# KiCad board keyboard.kicad_pcb
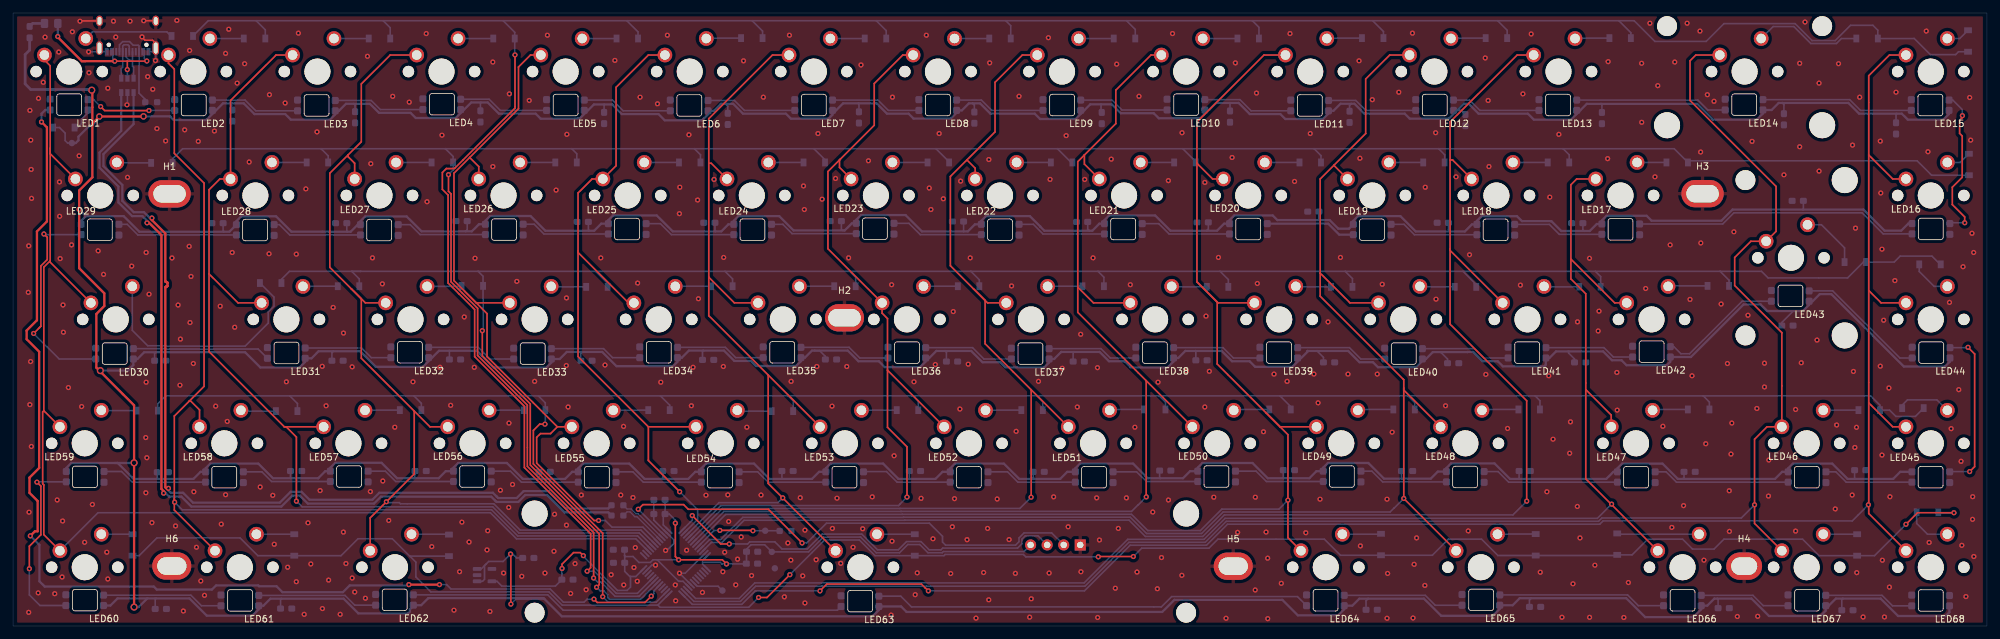
[diagram p0: board, top side]
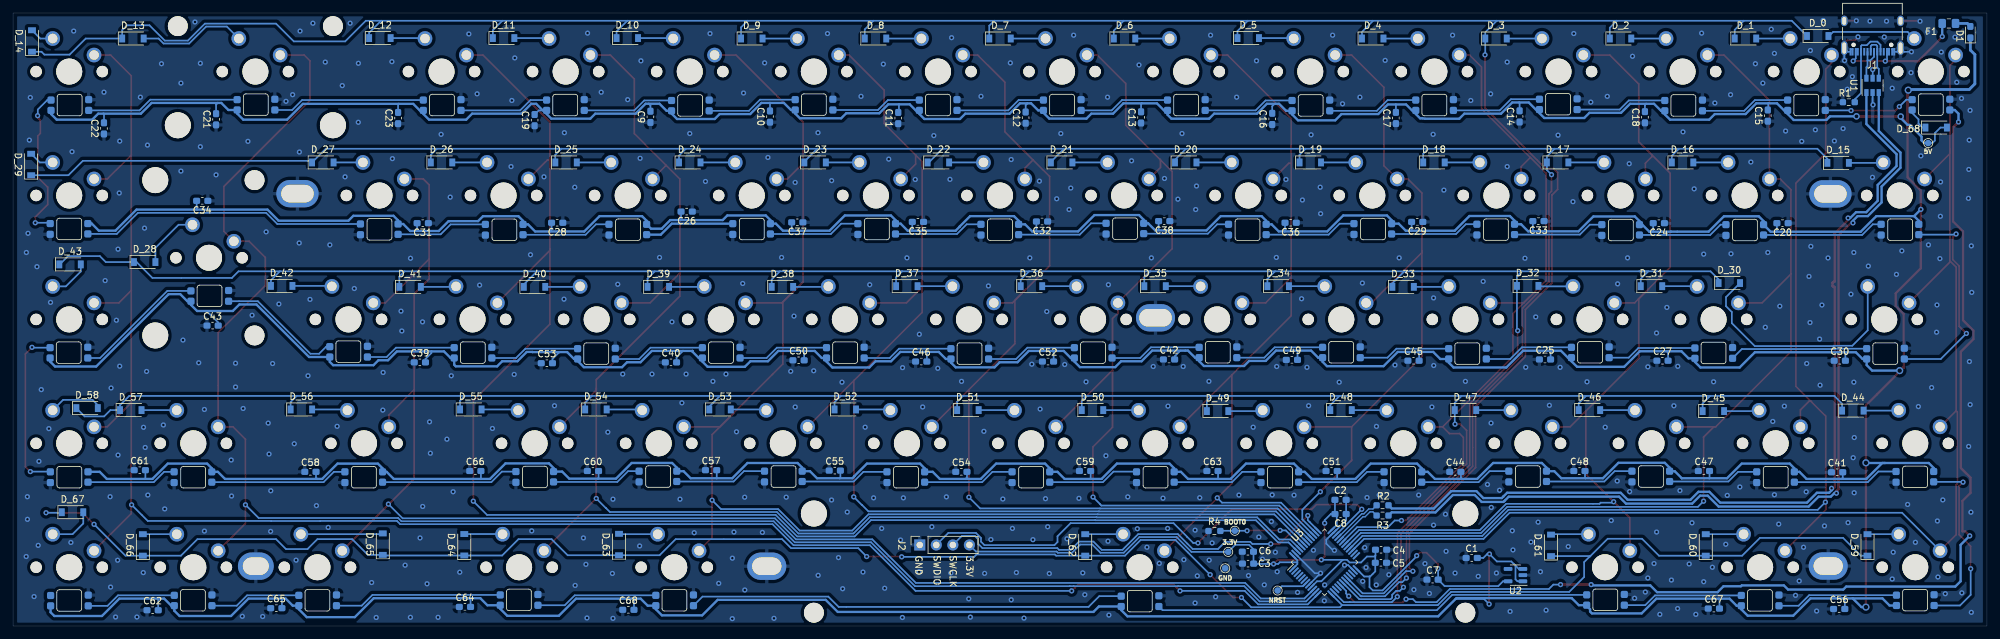
[diagram p1: board, bottom side, seen from below]

Outline 303 x 94.23 mm; copper layers: Top, Bottom. Coordinates in mm from the lower left corner of the outline.
Outline path: 0,94.23 303,94.23 303,0 0,0 0,94.23

## Placement (name value [footprint] x y rotation side)
C1  4.7uF  [C_0603_1608Metric_Pad1.08x0.95mm_HandSolder]  79.09 10.46 180 bottom
C2  100nF  [C_0603_1608Metric_Pad1.08x0.95mm_HandSolder]  99.23 19.39 0 bottom
C3  4.7uF  [C_0603_1608Metric_Pad1.08x0.95mm_HandSolder]  113.42 9.59 180 bottom
C4  100nF  [C_0603_1608Metric_Pad1.08x0.95mm_HandSolder]  93 11.72 0 bottom
C5  4.7uF  [C_0603_1608Metric_Pad1.08x0.95mm_HandSolder]  93.03 9.71 0 bottom
C6  100nF  [C_0603_1608Metric_Pad1.08x0.95mm_HandSolder]  113.45 11.42 180 bottom
C7  4.7uF  [C_0603_1608Metric_Pad1.08x0.95mm_HandSolder]  85.1 7.12 180 bottom
C8  100nF  [C_0603_1608Metric_Pad1.08x0.95mm_HandSolder]  99.22 17.21 0 bottom
C9  100nF  [C_0603_1608Metric_Pad1.08x0.95mm_HandSolder]  205.16 78.27 90 bottom
C10  100nF  [C_0603_1608Metric_Pad1.08x0.95mm_HandSolder]  186.81 78.31 90 bottom
C11  100nF  [C_0603_1608Metric_Pad1.08x0.95mm_HandSolder]  167.12 78.08 90 bottom
C12  100nF  [C_0603_1608Metric_Pad1.08x0.95mm_HandSolder]  147.56 78.14 90 bottom
C13  100nF  [C_0603_1608Metric_Pad1.08x0.95mm_HandSolder]  129.85 78.18 90 bottom
C14  100nF  [C_0603_1608Metric_Pad1.08x0.95mm_HandSolder]  71.74 78.33 90 bottom
C15  100nF  [C_0603_1608Metric_Pad1.08x0.95mm_HandSolder]  33.64 78.46 90 bottom
C16  100nF  [C_0603_1608Metric_Pad1.08x0.95mm_HandSolder]  109.72 77.95 90 bottom
C17  100nF  [C_0603_1608Metric_Pad1.08x0.95mm_HandSolder]  90.73 78.09 90 bottom
C18  100nF  [C_0603_1608Metric_Pad1.08x0.95mm_HandSolder]  52.5 78.21 90 bottom
C19  100nF  [C_0603_1608Metric_Pad1.08x0.95mm_HandSolder]  222.94 77.76 90 bottom
C20  100nF  [C_0603_1608Metric_Pad1.08x0.95mm_HandSolder]  31.38 61.92 0 bottom
C21  100nF  [C_0603_1608Metric_Pad1.08x0.95mm_HandSolder]  271.83 77.89 90 bottom
C22  100nF  [C_0603_1608Metric_Pad1.08x0.95mm_HandSolder]  289.04 76.49 90 bottom
C23  100nF  [C_0603_1608Metric_Pad1.08x0.95mm_HandSolder]  243.89 78.08 90 bottom
C24  100nF  [C_0603_1608Metric_Pad1.08x0.95mm_HandSolder]  50.37 61.92 0 bottom
C25  100nF  [C_0603_1608Metric_Pad1.08x0.95mm_HandSolder]  67.84 40.97 180 bottom
C26  100nF  [C_0603_1608Metric_Pad1.08x0.95mm_HandSolder]  199.6 63.7 0 bottom
C27  100nF  [C_0603_1608Metric_Pad1.08x0.95mm_HandSolder]  49.81 40.78 180 bottom
C28  100nF  [C_0603_1608Metric_Pad1.08x0.95mm_HandSolder]  219.47 61.99 0 bottom
C29  100nF  [C_0603_1608Metric_Pad1.08x0.95mm_HandSolder]  87.46 62.12 0 bottom
C30  100nF  [C_0603_1608Metric_Pad1.08x0.95mm_HandSolder]  22.59 40.78 180 bottom
C31  100nF  [C_0603_1608Metric_Pad1.08x0.95mm_HandSolder]  240.11 61.92 0 bottom
C32  100nF  [C_0603_1608Metric_Pad1.08x0.95mm_HandSolder]  145.05 62.18 0 bottom
C33  100nF  [C_0603_1608Metric_Pad1.08x0.95mm_HandSolder]  68.85 62.24 0 bottom
C34  100nF  [C_0603_1608Metric_Pad1.08x0.95mm_HandSolder]  273.95 65.35 0 bottom
C35  100nF  [C_0603_1608Metric_Pad1.08x0.95mm_HandSolder]  164.1 62.12 0 bottom
C36  100nF  [C_0603_1608Metric_Pad1.08x0.95mm_HandSolder]  106.89 61.99 0 bottom
C37  100nF  [C_0603_1608Metric_Pad1.08x0.95mm_HandSolder]  182.62 62.05 0 bottom
C38  100nF  [C_0603_1608Metric_Pad1.08x0.95mm_HandSolder]  126.29 62.24 0 bottom
C39  100nF  [C_0603_1608Metric_Pad1.08x0.95mm_HandSolder]  240.55 40.53 180 bottom
C40  100nF  [C_0603_1608Metric_Pad1.08x0.95mm_HandSolder]  202.01 40.53 180 bottom
C41  100nF  [C_0603_1608Metric_Pad1.08x0.95mm_HandSolder]  23 23.63 180 bottom
C42  100nF  [C_0603_1608Metric_Pad1.08x0.95mm_HandSolder]  125.56 40.97 180 bottom
C43  100nF  [C_0603_1608Metric_Pad1.08x0.95mm_HandSolder]  272.37 46.18 180 bottom
C44  100nF  [C_0603_1608Metric_Pad1.08x0.95mm_HandSolder]  81.61 23.7 180 bottom
C45  100nF  [C_0603_1608Metric_Pad1.08x0.95mm_HandSolder]  88.03 40.78 180 bottom
C46  100nF  [C_0603_1608Metric_Pad1.08x0.95mm_HandSolder]  163.59 40.65 180 bottom
C47  100nF  [C_0603_1608Metric_Pad1.08x0.95mm_HandSolder]  43.45 23.82 180 bottom
C48  100nF  [C_0603_1608Metric_Pad1.08x0.95mm_HandSolder]  62.56 23.82 180 bottom
C49  100nF  [C_0603_1608Metric_Pad1.08x0.95mm_HandSolder]  106.7 40.91 180 bottom
C50  100nF  [C_0603_1608Metric_Pad1.08x0.95mm_HandSolder]  182.42 40.84 180 bottom
C51  100nF  [C_0603_1608Metric_Pad1.08x0.95mm_HandSolder]  100.6 23.82 180 bottom
C52  100nF  [C_0603_1608Metric_Pad1.08x0.95mm_HandSolder]  144.13 40.65 180 bottom
C53  100nF  [C_0603_1608Metric_Pad1.08x0.95mm_HandSolder]  221.06 40.4 180 bottom
C54  100nF  [C_0603_1608Metric_Pad1.08x0.95mm_HandSolder]  157.43 23.7 180 bottom
C55  100nF  [C_0603_1608Metric_Pad1.08x0.95mm_HandSolder]  176.86 23.89 180 bottom
C56  100nF  [C_0603_1608Metric_Pad1.08x0.95mm_HandSolder]  22.69 2.62 180 bottom
C57  100nF  [C_0603_1608Metric_Pad1.08x0.95mm_HandSolder]  195.85 23.95 180 bottom
C58  100nF  [C_0603_1608Metric_Pad1.08x0.95mm_HandSolder]  257.35 23.7 180 bottom
C59  100nF  [C_0603_1608Metric_Pad1.08x0.95mm_HandSolder]  138.45 23.82 180 bottom
C60  100nF  [C_0603_1608Metric_Pad1.08x0.95mm_HandSolder]  213.98 23.82 180 bottom
C61  100nF  [C_0603_1608Metric_Pad1.08x0.95mm_HandSolder]  283.54 23.95 180 bottom
C62  100nF  [C_0603_1608Metric_Pad1.08x0.95mm_HandSolder]  281.57 2.43 180 bottom
C63  100nF  [C_0603_1608Metric_Pad1.08x0.95mm_HandSolder]  118.89 23.82 180 bottom
C64  100nF  [C_0603_1608Metric_Pad1.08x0.95mm_HandSolder]  233.63 2.93 180 bottom
C65  100nF  [C_0603_1608Metric_Pad1.08x0.95mm_HandSolder]  262.59 2.74 180 bottom
C66  100nF  [C_0603_1608Metric_Pad1.08x0.95mm_HandSolder]  232.04 23.82 180 bottom
C67  100nF  [C_0603_1608Metric_Pad1.08x0.95mm_HandSolder]  41.93 2.68 180 bottom
C68  100nF  [C_0603_1608Metric_Pad1.08x0.95mm_HandSolder]  208.55 2.49 180 bottom
D1  D_Small  [D_0603_1608Metric_Pad1.05x0.95mm_HandSolder]  2.55 91.29 90 bottom
D_0  D  [D_SOD-123]  25.98 90.7 180 bottom
D_1  D  [D_SOD-123]  37.07 90.31 180 bottom
D_2  D  [D_SOD-123]  56.25 90.31 180 bottom
D_3  D  [D_SOD-123]  75.36 90.31 180 bottom
D_4  D  [D_SOD-123]  94.29 90.31 180 bottom
D_5  D  [D_SOD-123]  113.4 90.37 180 bottom
D_6  D  [D_SOD-123]  132.39 90.31 180 bottom
D_7  D  [D_SOD-123]  151.5 90.31 180 bottom
D_8  D  [D_SOD-123]  170.61 90.31 180 bottom
D_9  D  [D_SOD-123]  189.6 90.31 180 bottom
D_10  D  [D_SOD-123]  208.71 90.37 180 bottom
D_11  D  [D_SOD-123]  227.7 90.37 180 bottom
D_12  D  [D_SOD-123]  246.69 90.37 180 bottom
D_13  D  [D_SOD-123]  284.6 90.31 180 bottom
D_14  D  [D_SOD-123]  300.09 89.93 90 bottom
D_15  D  [D_SOD-123]  22.85 71.2 180 bottom
D_16  D  [D_SOD-123]  46.73 71.26 180 bottom
D_17  D  [D_SOD-123]  65.9 71.26 180 bottom
D_18  D  [D_SOD-123]  84.89 71.26 180 bottom
D_19  D  [D_SOD-123]  103.87 71.26 180 bottom
D_20  D  [D_SOD-123]  122.99 71.26 180 bottom
D_21  D  [D_SOD-123]  142.04 71.26 180 bottom
D_22  D  [D_SOD-123]  160.96 71.26 180 bottom
D_23  D  [D_SOD-123]  179.88 71.26 180 bottom
D_24  D  [D_SOD-123]  199.12 71.26 180 bottom
D_25  D  [D_SOD-123]  218.11 71.26 180 bottom
D_26  D  [D_SOD-123]  237.22 71.26 180 bottom
D_27  D  [D_SOD-123]  255.45 71.26 180 bottom
D_28  D  [D_SOD-123]  282.79 55.94 180 bottom
D_29  D  [D_SOD-123]  300.22 70.94 90 bottom
D_30  D  [D_SOD-123]  39.55 52.72 180 bottom
D_31  D  [D_SOD-123]  51.5 52.23 180 bottom
D_32  D  [D_SOD-123]  70.5 52.29 180 bottom
D_33  D  [D_SOD-123]  89.63 52.13 180 bottom
D_34  D  [D_SOD-123]  108.8 52.23 180 bottom
D_35  D  [D_SOD-123]  127.7 52.23 180 bottom
D_36  D  [D_SOD-123]  146.67 52.23 180 bottom
D_37  D  [D_SOD-123]  165.8 52.23 180 bottom
D_38  D  [D_SOD-123]  184.9 52.13 180 bottom
D_39  D  [D_SOD-123]  203.95 52.13 180 bottom
D_40  D  [D_SOD-123]  222.95 52.13 180 bottom
D_41  D  [D_SOD-123]  242.05 52.13 180 bottom
D_42  D  [D_SOD-123]  261.76 52.29 180 bottom
D_43  D  [D_SOD-123]  294.25 55.59 180 bottom
D_44  D  [D_SOD-123]  20.59 33.11 180 bottom
D_45  D  [D_SOD-123]  42 33.03 180 bottom
D_46  D  [D_SOD-123]  61.03 33.18 180 bottom
D_47  D  [D_SOD-123]  80.05 33.18 180 bottom
D_48  D  [D_SOD-123]  99.15 33.18 180 bottom
D_49  D  [D_SOD-123]  118.1 33.03 180 bottom
D_50  D  [D_SOD-123]  137.3 33.18 180 bottom
D_51  D  [D_SOD-123]  156.43 33.18 180 bottom
D_52  D  [D_SOD-123]  175.25 33.29 180 bottom
D_53  D  [D_SOD-123]  194.48 33.29 180 bottom
D_54  D  [D_SOD-123]  213.53 33.29 180 bottom
D_55  D  [D_SOD-123]  232.73 33.29 180 bottom
D_56  D  [D_SOD-123]  258.74 33.29 180 bottom
D_57  D  [D_SOD-123]  284.93 33.18 180 bottom
D_58  D  [D_SOD-123]  291.63 33.49 180 bottom
D_59  D  [D_SOD-123]  18.34 12.46 90 bottom
D_60  D  [D_SOD-123]  43.17 12.46 90 bottom
D_61  D  [D_SOD-123]  66.92 12.39 90 bottom
D_62  D  [D_SOD-123]  138.42 12.46 90 bottom
D_63  D  [D_SOD-123]  209.98 12.52 90 bottom
D_64  D  [D_SOD-123]  233.73 12.48 90 bottom
D_65  D  [D_SOD-123]  246.24 12.58 90 bottom
D_66  D  [D_SOD-123]  283.07 12.46 90 bottom
D_67  D  [D_SOD-123]  293.87 17.49 180 bottom
D_68  D  [D_SOD-123]  7.8 76.62 180 bottom
F1  500mA  [Fuse_0805_2012Metric_Pad1.15x1.40mm_HandSolder]  5.85 92.63 180 bottom
H1  MountingHole_Pad  [MountingHole_3.2mm_M3_Pad]  24.03 66.43 0 top
H2  MountingHole_Pad  [MountingHole_3.2mm_M3_Pad#2]  127.63 47.38 0 top
H3  MountingHole_Pad  [MountingHole_3.2mm_M3_Pad]  259.34 66.46 0 top
H4  MountingHole_Pad  [MountingHole_3.2mm_M3_Pad#3]  265.73 9.2 0 top
H5  MountingHole_Pad  [MountingHole_3.2mm_M3_Pad#4]  187.3 9.19 0 top
H6  MountingHole_Pad  [MountingHole_3.2mm_M3_Pad#4]  24.37 9.22 0 top
J1  USB_C_Receptacle_USB2.0  [USB_C_Receptacle_XKB_U262-16XN-4BVC11]  17.59 91.95 0 bottom
J2  Conn_01x04_Male  [PinSocket_1x04_P2.54mm_Vertical]  163.82 12.46 90 bottom
K_0  KEYSW  [MXOnly-1U-NoLED]  8.62 85.23 0 top
K_1  KEYSW  [MXOnly-1U-NoLED]  27.67 85.23 0 top
K_2  KEYSW  [MXOnly-1U-NoLED]  46.73 85.23 0 top
K_3  KEYSW  [MXOnly-1U-NoLED]  65.78 85.23 0 top
K_4  KEYSW  [MXOnly-1U-NoLED]  84.83 85.23 0 top
K_5  KEYSW  [MXOnly-1U-NoLED]  103.88 85.23 0 top
K_6  KEYSW  [MXOnly-1U-NoLED]  122.93 85.23 0 top
K_7  KEYSW  [MXOnly-1U-NoLED]  141.97 85.23 0 top
K_8  KEYSW  [MXOnly-1U-NoLED]  161.03 85.23 0 top
K_9  KEYSW  [MXOnly-1U-NoLED]  180.08 85.23 0 top
K_10  KEYSW  [MXOnly-1U-NoLED]  199.12 85.23 0 top
K_11  KEYSW  [MXOnly-1U-NoLED]  218.17 85.23 0 top
K_12  KEYSW  [MXOnly-1U-NoLED]  237.22 85.23 0 top
K_13  KEYSW  [MXOnly-2U-NoLED]  265.8 85.23 0 top
K_14  KEYSW  [MXOnly-1U-NoLED]  294.38 85.23 0 top
K_15  KEYSW  [MXOnly-1.5U-NoLED]  13.39 66.18 0 top
K_16  KEYSW  [MXOnly-1U-NoLED]  37.2 66.18 0 top
K_17  KEYSW  [MXOnly-1U-NoLED]  56.25 66.18 0 top
K_18  KEYSW  [MXOnly-1U-NoLED]  75.3 66.18 0 top
K_19  KEYSW  [MXOnly-1U-NoLED]  94.35 66.18 0 top
K_20  KEYSW  [MXOnly-1U-NoLED]  113.4 66.18 0 top
K_21  KEYSW  [MXOnly-1U-NoLED]  132.45 66.18 0 top
K_22  KEYSW  [MXOnly-1U-NoLED]  151.5 66.18 0 top
K_23  KEYSW  [MXOnly-1U-NoLED]  170.55 66.18 0 top
K_24  KEYSW  [MXOnly-1U-NoLED]  189.6 66.18 0 top
K_25  KEYSW  [MXOnly-1U-NoLED]  208.65 66.18 0 top
K_26  KEYSW  [MXOnly-1U-NoLED]  227.7 66.18 0 top
K_27  KEYSW  [MXOnly-1U-NoLED]  246.75 66.18 0 top
K_28  KEYSW  [MXOnly-ISO-NoLED]  272.91 56.6 0 top
K_29  KEYSW  [MXOnly-1U-NoLED]  294.38 66.18 0 top
K_30  KEYSW  [MXOnly-1.75U-NoLED]  15.77 47.13 0 top
K_31  KEYSW  [MXOnly-1U-NoLED]  41.96 47.13 0 top
K_32  KEYSW  [MXOnly-1U-NoLED]  61.01 47.13 0 top
K_33  KEYSW  [MXOnly-1U-NoLED]  80.06 47.13 0 top
K_34  KEYSW  [MXOnly-1U-NoLED]  99.11 47.13 0 top
K_35  KEYSW  [MXOnly-1U-NoLED]  118.16 47.13 0 top
K_36  KEYSW  [MXOnly-1U-NoLED]  137.21 47.13 0 top
K_37  KEYSW  [MXOnly-1U-NoLED]  156.26 47.13 0 top
K_38  KEYSW  [MXOnly-1U-NoLED]  175.31 47.13 0 top
K_39  KEYSW  [MXOnly-1U-NoLED]  194.36 47.13 0 top
K_40  KEYSW  [MXOnly-1U-NoLED]  213.41 47.13 0 top
K_41  KEYSW  [MXOnly-1U-NoLED]  232.46 47.13 0 top
K_42  KEYSW  [MXOnly-1U-NoLED]  251.51 47.13 0 top
K_43  KEYSW  [MXOnly-1U-NoLED]  294.38 47.13 0 top
K_44  KEYSW  [MXOnly-1.25U-NoLED]  11.01 28.08 0 top
K_45  KEYSW  [MXOnly-1U-NoLED]  32.44 28.08 0 top
K_46  KEYSW  [MXOnly-1U-NoLED]  51.49 28.08 0 top
K_47  KEYSW  [MXOnly-1U-NoLED]  70.54 28.08 0 top
K_48  KEYSW  [MXOnly-1U-NoLED]  89.59 28.08 0 top
K_49  KEYSW  [MXOnly-1U-NoLED]  108.64 28.08 0 top
K_50  KEYSW  [MXOnly-1U-NoLED]  127.69 28.08 0 top
K_51  KEYSW  [MXOnly-1U-NoLED]  146.74 28.08 0 top
K_52  KEYSW  [MXOnly-1U-NoLED]  165.79 28.08 0 top
K_53  KEYSW  [MXOnly-1U-NoLED]  184.84 28.08 0 top
K_54  KEYSW  [MXOnly-1U-NoLED]  203.89 28.08 0 top
K_55  KEYSW  [MXOnly-1U-NoLED]  222.94 28.08 0 top
K_56  KEYSW  [MXOnly-1.75U-NoLED]  249.13 28.08 0 top
K_57  KEYSW  [MXOnly-1U-NoLED]  275.33 28.08 0 top
K_58  KEYSW  [MXOnly-1U-NoLED]  294.38 28.08 0 top
K_59  KEYSW  [MXOnly-1.25U-NoLED]  11.01 9.03 0 top
K_60  KEYSW  [MXOnly-1.25U-NoLED]  34.82 9.03 0 top
K_61  KEYSW  [MXOnly-1.25U-NoLED]  58.63 9.03 0 top
K_62  KEYSW  [MXOnly-6.25U-ReversedStabilizers-NoLED]  130.07 9.03 0 top
K_63  KEYSW  [MXOnly-1.25U-NoLED]  201.51 9.03 0 top
K_64  KEYSW  [MXOnly-1.25U-NoLED]  225.32 9.03 0 top
K_65  KEYSW  [MXOnly-1U-NoLED]  256.27 9.03 0 top
K_66  KEYSW  [MXOnly-1U-NoLED]  275.33 9.03 0 top
K_67  KEYSW  [MXOnly-1U-NoLED]  294.38 9.03 0 top
LED1  SK6812MINI  [LED-RGB-SKMINI]  8.62 80.15 180 top
LED2  SK6812MINI  [LED-RGB-SKMINI]  27.74 80.09 180 top
LED3  SK6812MINI  [LED-RGB-SKMINI]  46.6 80.02 180 top
LED4  SK6812MINI  [LED-RGB-SKMINI]  65.84 80.21 180 top
LED5  SK6812MINI  [LED-RGB-SKMINI]  84.83 80.09 180 top
LED6  SK6812MINI  [LED-RGB-SKMINI]  103.81 80.02 180 top
LED7  SK6812MINI  [LED-RGB-SKMINI]  122.93 80.09 180 top
LED8  SK6812MINI  [LED-RGB-SKMINI]  141.97 80.09 180 top
LED9  SK6812MINI  [LED-RGB-SKMINI]  161.03 80.09 180 top
LED10  SK6812MINI  [LED-RGB-SKMINI]  180.08 80.15 180 top
LED11  SK6812MINI  [LED-RGB-SKMINI]  199.06 80.02 180 top
LED12  SK6812MINI  [LED-RGB-SKMINI]  218.24 80.09 180 top
LED13  SK6812MINI  [LED-RGB-SKMINI]  237.16 80.09 180 top
LED14  SK6812MINI  [LED-RGB-SKMINI]  265.74 80.15 180 top
LED15  SK6812MINI  [LED-RGB-SKMINI]  294.31 80.09 180 top
LED16  SK6812MINI  [LED-RGB-SKMINI]  294.38 61.04 0 top
LED17  SK6812MINI  [LED-RGB-SKMINI]  246.75 60.97 0 top
LED18  SK6812MINI  [LED-RGB-SKMINI]  227.57 60.91 0 top
LED19  SK6812MINI  [LED-RGB-SKMINI]  208.6 60.92 0 top
LED20  SK6812MINI  [LED-RGB-SKMINI]  189.6 61.02 0 top
LED21  SK6812MINI  [LED-RGB-SKMINI]  170.4 61.02 0 top
LED22  SK6812MINI  [LED-RGB-SKMINI]  151.5 60.92 0 top
LED23  SK6812MINI  [LED-RGB-SKMINI]  132.3 61.07 0 top
LED24  SK6812MINI  [LED-RGB-SKMINI]  113.5 60.92 0 top
LED25  SK6812MINI  [LED-RGB-SKMINI]  94.25 61.02 0 top
LED26  SK6812MINI  [LED-RGB-SKMINI]  75.38 60.93 0 top
LED27  SK6812MINI  [LED-RGB-SKMINI]  56.2 60.87 0 top
LED28  SK6812MINI  [LED-RGB-SKMINI]  37.15 60.87 0 top
LED29  SK6812MINI  [LED-RGB-SKMINI]  13.32 60.92 0 top
LED30  SK6812MINI  [LED-RGB-SKMINI]  15.61 41.87 180 top
LED31  SK6812MINI  [LED-RGB-SKMINI]  41.98 41.97 180 top
LED32  SK6812MINI  [LED-RGB-SKMINI]  60.92 42.07 180 top
LED33  SK6812MINI  [LED-RGB-SKMINI]  79.77 41.87 180 top
LED34  SK6812MINI  [LED-RGB-SKMINI]  99.13 42.07 180 top
LED35  SK6812MINI  [LED-RGB-SKMINI]  118.07 42.07 180 top
LED36  SK6812MINI  [LED-RGB-SKMINI]  137.23 42.02 180 top
LED37  SK6812MINI  [LED-RGB-SKMINI]  156.17 41.87 180 top
LED38  SK6812MINI  [LED-RGB-SKMINI]  175.27 42.02 180 top
LED39  SK6812MINI  [LED-RGB-SKMINI]  194.32 42.02 180 top
LED40  SK6812MINI  [LED-RGB-SKMINI]  213.48 41.87 180 top
LED41  SK6812MINI  [LED-RGB-SKMINI]  232.42 42.02 180 top
LED42  SK6812MINI  [LED-RGB-SKMINI]  251.53 42.18 180 top
LED43  SK6812MINI  [LED-RGB-SKMINI]  272.84 50.75 180 top
LED44  SK6812MINI  [LED-RGB-SKMINI]  294.45 42.02 180 top
LED45  SK6812MINI  [LED-RGB-SKMINI]  294.35 22.87 0 top
LED46  SK6812MINI  [LED-RGB-SKMINI]  275.35 22.87 0 top
LED47  SK6812MINI  [LED-RGB-SKMINI]  249.14 22.87 0 top
LED48  SK6812MINI  [LED-RGB-SKMINI]  222.89 22.91 0 top
LED49  SK6812MINI  [LED-RGB-SKMINI]  203.98 22.97 0 top
LED50  SK6812MINI  [LED-RGB-SKMINI]  184.72 22.97 0 top
LED51  SK6812MINI  [LED-RGB-SKMINI]  165.93 22.87 0 top
LED52  SK6812MINI  [LED-RGB-SKMINI]  146.72 22.87 0 top
LED53  SK6812MINI  [LED-RGB-SKMINI]  127.62 22.87 0 top
LED54  SK6812MINI  [LED-RGB-SKMINI]  108.52 22.87 0 top
LED55  SK6812MINI  [LED-RGB-SKMINI]  89.63 22.87 0 top
LED56  SK6812MINI  [LED-RGB-SKMINI]  70.47 22.97 0 top
LED57  SK6812MINI  [LED-RGB-SKMINI]  51.58 22.97 0 top
LED58  SK6812MINI  [LED-RGB-SKMINI]  32.42 22.87 0 top
LED59  SK6812MINI  [LED-RGB-SKMINI]  11.04 22.92 0 top
LED60  SK6812MINI  [LED-RGB-SKMINI]  11.04 3.97 180 top
LED61  SK6812MINI  [LED-RGB-SKMINI]  34.85 3.94 180 top
LED62  SK6812MINI  [LED-RGB-SKMINI]  58.59 4.03 180 top
LED63  SK6812MINI  [LED-RGB-SKMINI]  130.04 3.82 180 top
LED64  SK6812MINI  [LED-RGB-SKMINI]  201.47 3.95 180 top
LED65  SK6812MINI  [LED-RGB-SKMINI]  225.35 4.01 180 top
LED66  SK6812MINI  [LED-RGB-SKMINI]  256.27 3.95 180 top
LED67  SK6812MINI  [LED-RGB-SKMINI]  275.39 3.95 180 top
LED68  SK6812MINI  [LED-RGB-SKMINI]  294.38 3.92 180 top
R1  5.1k  [R_0603_1608Metric_Pad0.98x0.95mm_HandSolder]  21.21 80.52 180 bottom
R2  22R  [R_0603_1608Metric_Pad0.98x0.95mm_HandSolder]  92.78 16.98 180 bottom
R3  22R  [R_0603_1608Metric_Pad0.98x0.95mm_HandSolder]  92.78 18.55 0 bottom
R4  5.1k  [R_0603_1608Metric_Pad0.98x0.95mm_HandSolder]  118.59 14.6 180 bottom
TP1  TestPoint  [TestPoint_Pad_D1.0mm]  116.47 11.39 0 bottom
TP2  TestPoint  [TestPoint_Pad_D1.0mm]  115.46 14.64 0 bottom
TP3  TestPoint  [TestPoint_Pad_D1.0mm]  108.89 5.45 0 bottom
TP4  TestPoint  [TestPoint_Pad_D1.0mm]  116.94 8.87 0 bottom
TP5  TestPoint  [TestPoint_Pad_D1.0mm]  9.03 74.24 0 bottom
U1  USBLC6-2SC6  [SOT-23-6]  17.56 83.1 90 bottom
U2  ADP150  [TSOT-23-5]  72.37 7.82 0 bottom
U3  STM32F072C8Tx  [LQFP-48_7x7mm_P0.5mm]  101.68 9.8 135 bottom

## Footprints (pads in the part's own frame, mm; a bottom-side part is the same pattern mirrored in y, then rotated)
C_0603_1608Metric_Pad1.08x0.95mm_HandSolder
  rrect 1.075x0.95 smd: 1(-0.863,0) 2(0.863,0)
D_0603_1608Metric_Pad1.05x0.95mm_HandSolder
  rrect 1.05x0.95 smd: 1(-0.875,0) 2(0.875,0)
D_SOD-123
  rect 0.9x1.2 smd: 1(-1.65,0) 2(1.65,0)
Fuse_0805_2012Metric_Pad1.15x1.40mm_HandSolder
  rrect 1.15x1.4 smd: 1(-1.025,0) 2(1.025,0)
LED-RGB-SKMINI
  rrect 1.1x1.1 smd far side: 1(-2.857,-0.762) 2(2.921,-0.826) 3(2.921,0.826) 4(-2.857,0.826)
LQFP-48_7x7mm_P0.5mm
  rrect 1.475x0.3 smd: 1(-4.162,2.75) 2(-4.162,2.25) 3(-4.162,1.75) 4(-4.162,1.25) 5(-4.162,0.75) 6(-4.162,0.25) 7(-4.162,-0.25) 8(-4.162,-0.75) 9(-4.162,-1.25) 10(-4.162,-1.75) 11(-4.162,-2.25) 12(-4.162,-2.75) 25(4.162,-2.75) 26(4.162,-2.25) 27(4.162,-1.75) 28(4.162,-1.25) 29(4.162,-0.75) 30(4.162,-0.25) 31(4.162,0.25) 32(4.162,0.75) 33(4.162,1.25) 34(4.162,1.75) 35(4.162,2.25) 36(4.162,2.75)
  rrect 0.3x1.475 smd: 13(-2.75,-4.162) 14(-2.25,-4.162) 15(-1.75,-4.162) 16(-1.25,-4.162) 17(-0.75,-4.162) 18(-0.25,-4.162) 19(0.25,-4.162) 20(0.75,-4.162) 21(1.25,-4.162) 22(1.75,-4.162) 23(2.25,-4.162) 24(2.75,-4.162) 37(2.75,4.162) 38(2.25,4.162) 39(1.75,4.162) 40(1.25,4.162) 41(0.75,4.162) 42(0.25,4.162) 43(-0.25,4.162) 44(-0.75,4.162) 45(-1.25,4.162) 46(-1.75,4.162) 47(-2.25,4.162) 48(-2.75,4.162)
MountingHole_3.2mm_M3_Pad
  oval 6.5x4.2 hole 5x2.7: 1(0,0)
MountingHole_3.2mm_M3_Pad#2
  oval 6x4.2 hole 5x2.7: 1(0,0)
MountingHole_3.2mm_M3_Pad#3
  oval 5.5x4.2 hole 4x2.7: 1(0,0)
MountingHole_3.2mm_M3_Pad#4
  oval 6x4.2 hole 4.5x2.7: 1(0,0)
MXOnly-1.5U-NoLED
  round 1.75 hole 1.75 unplated: (-5.08,0) (5.08,0)
  round 3.988 hole 3.988 unplated: (0,0)
  round 2.25 hole 1.47: 1(-3.81,2.54) 2(2.54,5.08)
MXOnly-1.25U-NoLED
  round 1.75 hole 1.75 unplated: (-5.08,0) (5.08,0)
  round 3.988 hole 3.988 unplated: (0,0)
  round 2.25 hole 1.47: 1(-3.81,2.54) 2(2.54,5.08)
MXOnly-1.75U-NoLED
  round 1.75 hole 1.75 unplated: (-5.08,0) (5.08,0)
  round 3.988 hole 3.988 unplated: (0,0)
  round 2.25 hole 1.47: 1(-3.81,2.54) 2(2.54,5.08)
MXOnly-1U-NoLED
  round 1.75 hole 1.75 unplated: (-5.08,0) (5.08,0)
  round 3.988 hole 3.988 unplated: (0,0)
  round 2.25 hole 1.47: 1(-3.81,2.54) 2(2.54,5.08)
MXOnly-2U-NoLED
  round 3.048 hole 3.048 unplated: (-11.906,6.985) (11.906,6.985)
  round 3.988 hole 3.988 unplated: (-11.906,-8.255) (0,0) (11.906,-8.255)
  round 1.75 hole 1.75 unplated: (-5.08,0) (5.08,0)
  round 2.25 hole 1.47: 1(-3.81,2.54) 2(2.54,5.08)
MXOnly-6.25U-ReversedStabilizers-NoLED
  round 3.988 hole 3.988 unplated: (-50,8.255) (0,0) (50,8.255)
  round 3.048 hole 3.048 unplated: (-50,-6.985) (50,-6.985)
  round 1.75 hole 1.75 unplated: (-5.08,0) (5.08,0)
  round 2.25 hole 1.47: 1(-3.81,2.54) 2(2.54,5.08)
MXOnly-ISO-NoLED
  round 3.048 hole 3.048 unplated: (-6.985,11.938) (-6.985,-11.938)
  round 1.75 hole 1.75 unplated: (-5.08,0) (5.08,0)
  round 3.988 hole 3.988 unplated: (0,0) (8.255,11.938) (8.255,-11.938)
  round 2.25 hole 1.47: 1(-3.81,2.54) 2(2.54,5.08)
PinSocket_1x04_P2.54mm_Vertical
  rect 1.7x1.7 hole 1: 1(0,0)
  oval 1.7x1.7 hole 1: 2(0,-2.54) 3(0,-5.08) 4(0,-7.62)
R_0603_1608Metric_Pad0.98x0.95mm_HandSolder
  rrect 0.975x0.95 smd: 1(-0.912,0) 2(0.912,0)
SOT-23-6
  rect 1.06x0.65 smd: 1(-1.1,0.95) 2(-1.1,0) 3(-1.1,-0.95) 4(1.1,-0.95) 5(1.1,0) 6(1.1,0.95)
TestPoint_Pad_D1.0mm
  round 1 smd: 1(0,0)
TSOT-23-5
  rrect 1.325x0.6 smd: 1(-1.137,0.95) 2(-1.137,0) 3(-1.137,-0.95) 4(1.137,-0.95) 5(1.137,0.95)
USB_C_Receptacle_XKB_U262-16XN-4BVC11
  round 0.65 hole 0.65 unplated: (-2.89,2.605) (2.89,2.605)
  rect 0.3x1.15 smd: A1(-3.35,3.67) A4(-2.55,3.67) A5(-1.25,3.67) A6(-0.25,3.67) A7(0.25,3.67) A8(1.25,3.67) A9(2.55,3.67) A12(3.35,3.67) B1(3.05,3.67) B4(2.25,3.67) B5(1.75,3.67) B6(0.75,3.67) B7(-0.75,3.67) B8(-1.75,3.67) B9(-2.25,3.67) B12(-3.05,3.67)
  oval 1x1.6 hole 0.6x1.2: S1(-4.32,-1.075) S1(4.32,-1.075)
  oval 1x2.1 hole 0.6x1.7: S1(-4.32,3.105) S1(4.32,3.105)
